# KiCad board thunderbolt-adapter.kicad_pcb (continued)
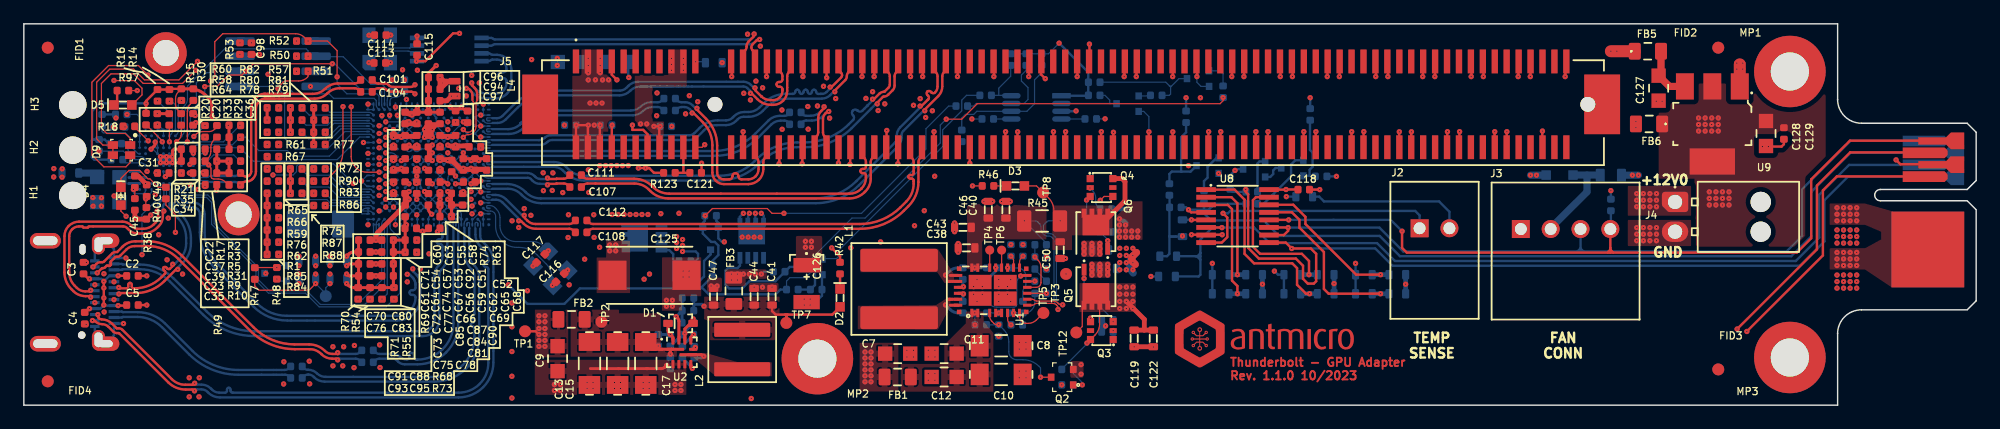
[diagram p0: board, top side]
## Routing (per net, layer and track width the routed paths; a pad name or vN(x,y) marks a point on that pad's centre or on a via; arc(x,y) is an arc through that point) (continued)
USB_T_N: length 14.3
  Top w0.2: v1(7.95,9.88) 8.02,9.81 8.64,9.81 arc(8.71,9.86) 8.75,9.95 8.75,10.11 arc(8.79,10.22) 8.9,10.26 arc(9,10.22) 9.05,10.11 9.05,9.95 arc(9.09,9.85) 9.2,9.8 9.27,9.8 arc(10.5,10.05) 11.53,10.74 11.82,11.03 arc(11.87,11.14) 11.82,11.24 11.72,11.35 arc(11.67,11.45) 11.72,11.56 arc(11.82,11.6) 11.93,11.56 12.03,11.45 arc(12.14,11.41) 12.25,11.45 12.43,11.63 arc(12.46,11.69) 12.48,11.75 v1(12.48,11.82)
  Bottom w0.1: 12.2,16.91 12.2,16.96 arc(12.2,16.96) 12.21,16.97 12.22,16.98 arc(12.23,17) 12.24,17.02 12.24,18.05 arc(12.23,18.07) 12.22,18.08 U3.L6
  Bottom w0.2: v1(7.95,9.88) 7.92,9.85 J9.A7 ; v1(12.48,11.82) 12.55,11.82 arc(12.61,11.84) 12.67,11.87 13.07,12.28 arc(13.46,12.86) 13.6,13.56 13.6,14.03 arc(13.42,14.94) 12.9,15.72 12.43,16.19 arc(12.26,16.44) 12.2,16.74 12.2,16.91
USB_T_P: length 14.2
  Top w0.2: v1(7.96,9.33) 8.04,9.41 9.55,9.41 arc(10.74,9.7) 11.76,10.4 12.71,11.35 arc(12.76,11.39) 12.83,11.4 v1(12.9,11.4)
  Bottom w0.1: 12.45,18.25 12.45,17.04 arc(12.46,17) 12.47,16.97 12.55,16.9 ; 12.45,18.25 12.45,18.36 arc(12.45,18.36) 12.44,18.36 arc(12.44,18.37) 12.43,18.37 U3.K6
  Bottom w0.2: v1(12.9,11.4) 12.9,11.47 arc(12.91,11.54) 12.95,11.59 13.36,12 arc(13.83,12.71) 14,13.55 14,14.02 arc(13.79,15.09) 13.18,16 12.62,16.56 arc(12.61,16.59) 12.6,16.61 12.6,16.78 arc(12.59,16.84) 12.55,16.9 12.55,16.9 ; v1(7.96,9.33) 7.94,9.35 J9.A6
Net-(C10-Pad2): length 1.5
  Top w0.1: U1.2 79.44,7.74 arc(79.45,7.74) 79.45,7.74 v1(79.69,7.74) 79.93,7.74 arc(79.93,7.74) 79.94,7.74 U1.3
  Bottom w0.1: v1(79.69,7.74) 79.7,7.74 arc(79.7,7.73) 79.71,7.72 v1(79.71,6.74)
Net-(C13-Pad2): length 3.9
  Top w0.25: C17.2 52.73,4.69 53.49,4.69 ; 53.49,4.69 54.42,4.69 ; 53.49,4.69 53.3,4.69 arc(53.21,4.73) 53.17,4.82 53.17,4.96 arc(53.17,4.96) 53.17,4.96 v1(53.16,4.96) ; v1(54.17,4.29) 54.17,4.6 arc(54.17,4.61) 54.17,4.61 arc(54.17,4.61) 54.17,4.62 54.21,4.65 arc(54.25,4.68) 54.3,4.69
  Bottom w0.25: v1(54.17,4.29) C24.2
Net-(C18-Pad2): length 1.5
  Top w0.1: U1.6 81.44,7.74 arc(81.45,7.74) 81.45,7.74 v1(81.71,7.74) 81.93,7.74 arc(81.93,7.74) 81.94,7.74 U1.7
  Bottom w0.1: R22.2 81.71,7.74 arc(81.71,7.74) 81.71,7.74 v1(81.71,7.74)
Net-(C19-Pad2): length 1.1
  Top w0.1: 83.44,11.54 83.44,12.01 arc(83.48,12.2) 83.59,12.36 v1(83.73,12.5)
Net-(C26-Pad1): length 1.1
  Top w0.25: U1.30 78.66,9.39 arc(78.69,9.38) 78.72,9.36 v1(78.74,9.34)
  Bottom w0.25: C26.1 78.69,9.25 arc(78.7,9.28) 78.72,9.31 v1(78.74,9.34)
Net-(C26-Pad2): length 3.1
  Top w0.25: 77.49,8.89 U1.31 ; U1.32 77.64,8.39
  Bottom w0.25: C26.2 78.3,7.74 arc(77.94,7.82) 77.63,8.02 v1(77.24,8.41)
Net-(C27-Pad1): length 0.2
  Top w0.25: U2.7 56.1,4.69 arc(56.11,4.69) 56.12,4.69 v1(56.27,4.85)
Net-(C27-Pad2): length 2.2
  Top w0.25: v1(56.98,4.1) 56.91,4.17 arc(56.84,4.22) 56.75,4.24 U2.6
  Bottom w0.25: v1(56.98,4.1) 56.91,4.03 arc(56.84,3.98) 56.75,3.96 C27.2
Net-(C28-Pad1): length 1.1
  Top w0.25: U1.29 78.66,9.89 arc(78.69,9.89) 78.72,9.91 v1(78.74,9.94)
  Bottom w0.25: v1(78.74,9.94) 78.72,9.96 arc(78.7,9.99) 78.69,10.02 C28.1
Net-(C28-Pad2): length 3.2
  Top w0.25: U1.28 77.44,10.39 ; U1.27 77.63,10.89
  Bottom w0.25: v1(77.24,10.91) 77.55,11.22 arc(77.88,11.44) 78.27,11.52 C28.2
Net-(C29-Pad1): length 1.6
  Bottom w0.1: 81.58,11.52 81.47,11.52 arc(81.46,11.52) 81.45,11.53 v1(81.44,11.54)
  Bottom w0.25: R26.1 80.72,10.55 arc(80.74,10.56) 80.76,10.57 81.62,11.43 arc(81.63,11.49) 81.58,11.52
Net-(C30-Pad1): length 1.4
  Bottom w0.1: R25.2 84.75,11.36 arc(84.73,11.38) 84.73,11.4 C30.1
Net-(C31-Pad2): length 0.9
  Top w0.1: C31.2 12.16,19.48 arc(12.16,19.48) 12.16,19.48 v1(11.86,19.18)
  Bottom w0.1: v1(11.86,19.18) 11.78,19.26 arc(11.72,19.35) 11.7,19.45 U3.H7
Net-(C32-Pad2): length 5.4
  Top w0.25: 79.94,11.54 79.72,11.54 arc(79.71,11.54) 79.7,11.53 v1(79.69,11.52) 79.68,11.53 arc(79.67,11.54) 79.66,11.54 79.44,11.54
  Bottom w0.1: TP10.2 84.94,15.4 arc(84.88,15.44) 84.8,15.45 R45.1 85.7,13.59 R43.2
  Bottom w0.25: R26.2 80.7,11.52 v1(79.69,11.52)
  vias: v1(83.85,15.47)
Net-(C33-Pad1): length 5.6
  Top w0.25: U2.10 54.9,7.04 arc(54.87,7.19) 54.78,7.32 v1(54.66,7.43)
  Bottom w0.25: R36.1 55.17,7.93 54.68,7.44 arc(54.67,7.43) 54.67,7.43 v1(54.66,7.43) 55.16,6.94 ; C33.1 55.17,7.92 arc(55.16,7.92) 55.16,7.91 55.16,6.93
Net-(C33-Pad2): length 10.2
  Top w0.2: C41.2 62.7,7.9 63,7.6 63.8,7.6 ; 63.9,7.5 63.8,7.6 ; 63.9,7.5 TP7.1 63.9,7.6 ; 63.9,7.5 64,7.6 ; 63.8,7.6 63.9,7.6 ; 63.9,7.6 64,7.6 ; 64,7.6 67.75,7.6 D2.1
  Bottom w0.25: 56.14,8.46 56.14,8.93 56.14,9 R36.2 ; 56.14,8.46 C33.2 ; 56.14,8.46 56.84,8.46 v1(57,8.3)
Net-(C34-Pad1): length 0.7
  Top w0.1: v1(13.87,19.48) 14.23,19.48
  Bottom w0.1: v1(13.87,19.48) 13.93,19.54 arc(14,19.58) 14.07,19.6 U3.H2
Net-(C35-Pad1): length 0.6
  Bottom w0.1: v1(15.18,18.35) 15.01,18.52 arc(14.92,18.58) 14.81,18.6 U3.K1
Net-(C36-Pad1): length 0.7
  Bottom w0.1: U3.A2 14.2,23.35 arc(14.23,23.49) 14.3,23.61 v1(14.41,23.71)
Net-(C37-Pad1): length 0.8
  Top w0.1: v1(15.2,21.16) 15.2,21.16 arc(15.2,21.16) 15.2,21.17 C37.1
  Bottom w0.1: U3.E1 15.1,21.1 arc(15.14,21.11) 15.17,21.13 v1(15.2,21.16)
Net-(C51-Pad2): length 5
  Top w0.25: 36.83,21.83 37.06,21.83 arc(37.16,21.81) 37.24,21.75 arc(37.25,21.7) 37.21,21.68 36.19,21.68 arc(36.19,21.67) 36.18,21.67 arc(36.18,21.67) 36.17,21.67 35.8,21.67 arc(35.69,21.69) 35.61,21.75 v1(35.53,21.83) v1(36.18,21.83) 36.83,21.83
  Bottom w0.1: v1(36.18,21.83) U4.R16 v1(35.53,21.83) U4.R15
Net-(C53-Pad2): length 20.9
  Top w0.25: 33.79,23.5 33.64,23.35 arc(33.59,23.29) 33.58,23.21 v1(33.58,23.13) ; 33.79,23.5 arc(33.91,23.59) 34.06,23.62 ; 33.79,23.5 arc(33.86,23.52) 33.9,23.46 ; 34.39,23.42 33.88,23.42 v1(33.58,23.13) ; 34.39,23.42 arc(34.52,23.45) 34.62,23.52 34.43,23.33 ; 34.39,23.42 arc(34.44,23.39) 34.43,23.33 ; v1(33.58,23.13) v1(33.58,22.48) v1(34.23,23.13) ; v1(33.58,23.13) 33.65,23.13 arc(33.73,23.14) 33.79,23.18 33.82,23.21 ; v1(33.58,23.13) 33.58,23.04 arc(33.59,22.97) 33.64,22.9 33.74,22.8 arc(33.84,22.78) 33.9,22.86 33.9,23.18 ; v1(33.58,23.13) v1(34.23,22.48) v1(34.23,23.13) ; v1(34.23,23.13) 34.15,23.13 arc(34.08,23.14) 34.02,23.18 33.99,23.21 ; v1(34.23,23.13) 34.43,23.33 ; v1(34.23,23.13) 34.23,23.21 arc(34.21,23.29) 34.17,23.35 34.02,23.5 ; 34.02,23.5 arc(34,23.58) 34.06,23.62 ; 34.02,23.5 arc(33.94,23.52) 33.9,23.46 ; 34.06,23.62 34.8,23.62 arc(34.72,23.6) 34.66,23.56 ; C67.2 33.82,19.72 arc(33.74,19.73) 33.68,19.78 v1(33.58,19.88) ; 33.99,23.21 arc(33.92,23.31) 33.9,23.42 ; 33.99,23.21 arc(33.93,23.22) 33.9,23.18 ; 33.9,23.18 arc(33.87,23.22) 33.82,23.21 ; 33.82,23.21 arc(33.88,23.31) 33.9,23.42 ; 33.9,23.46 33.9,23.42 ; v1(30.98,19.88) v1(31.63,19.88) 31.71,19.88 arc(31.79,19.86) 31.85,19.82 31.87,19.8 arc(31.88,19.75) 31.84,19.72 31.06,19.72 arc(31,19.74) 30.98,19.8 v1(30.98,19.88)
  Bottom w0.1: 33.25,19.55 v1(33.58,19.88) 33.9,19.55 ; v1(31.63,19.88) 31.3,19.55 v1(30.98,19.88) U4.M6 v1(31.63,19.88) ; v1(31.63,19.88) 31.95,19.55 ; v1(31.63,19.88) U4.M8 ; U4.V12 v1(33.58,23.13) U4.V11 v1(33.58,22.48) ; U4.V12 v1(34.23,22.48) ; U4.V12 v1(34.23,23.13) U4.V13 v1(34.23,22.48) ; U4.V12 v1(33.58,22.48) ; v1(33.58,22.48) U4.T11 ; v1(33.58,22.48) U4.T12 v1(34.23,22.48)
Net-(C54-Pad2): length 6.6
  Top w0.25: v1(32.93,23.78) C63.2 ; C57.2 C54.2
  Top w0.4: v1(32.28,23.78) 32.11,23.78 C60.2 C63.2
  Bottom w0.1: U4.R9 v1(32.28,21.83) U4.R8 32.11,21.34 arc(32.28,21.27) 32.44,21.34 U4.R9 ; U4.R9 32.76,21.34 arc(32.93,21.27) 33.09,21.34 U4.R11 ; U4.R9 v1(32.93,21.83) U4.R11 ; U4.R11 U4.R12
Net-(C56-Pad2): length 19.4
  Top w0.25: 36.95,19.72 C65.2 38.66,19.72 ; 36.95,19.72 38.66,19.72 ; 36.95,19.72 36.7,19.72 ; 36.95,19.72 arc(36.84,19.74) 36.74,19.81 ; 35.88,20.56 35.92,20.56 arc(35.98,20.55) 36.03,20.51 36.74,19.81 ; 35.88,20.56 arc(35.85,20.56) 35.83,20.58 ; 35.88,20.56 arc(35.85,20.56) 35.83,20.54 ; 38.66,19.72 arc(38.71,19.75) 38.7,19.8 ; 38.66,19.72 arc(38.71,19.75) 38.7,19.8 ; 36.7,19.72 arc(36.75,19.75) 36.74,19.81 ; 36.7,19.72 arc(36.58,19.74) 36.48,19.81 35.76,20.53 v1(35.53,20.53) v1(34.88,20.53) 35.79,20.53 arc(35.82,20.53) 35.83,20.54 ; 35.83,20.58 35.79,20.62 arc(35.72,20.67) 35.64,20.69 C56.2 ; 35.83,20.58 arc(35.84,20.56) 35.83,20.54 ; v1(36.83,19.88) v1(37.48,19.88) 38.51,19.88 arc(38.61,19.86) 38.7,19.8
  Bottom w0.1: 36.83,20.53 U4.N18 U4.M16 ; U4.M18 36.18,20.53 ; U4.M18 v1(36.83,19.88) ; U4.M18 36.18,19.88 ; U4.M18 U4.N19 ; U4.M16 36.5,19.55 v1(36.83,19.88) ; U4.M16 v1(35.53,20.53) U4.M15 v1(34.88,20.53) U4.M13 ; v1(36.83,19.88) 37.15,19.55 v1(37.48,19.88)
Net-(C66-Pad2): length 1.8
  Top w0.25: C66.2 35.27,18.73 arc(35.37,18.71) 35.45,18.65 v1(35.53,18.57)
  Bottom w0.1: v1(35.53,18.57) 35.53,19.01 arc(35.57,19.21) 35.69,19.39 35.85,19.55
Net-(C69-Pad2): length 1.2
  Top w0.25: v1(36.18,18.58) 36.59,18.58 arc(36.68,18.6) 36.77,18.65 C69.2
  Bottom w0.1: v1(36.18,18.58) U4.J16
Net-(C71-Pad2): length 0.5
  Bottom w0.1: v1(30.98,21.83) U4.R6
Net-(C75-Pad2): length 3.8
  Top w0.25: v1(36.83,17.93) 36.8,17.9 arc(36.78,17.87) 36.78,17.84 C90.2 ; C85.2 33.82,17.76 arc(33.75,17.77) 33.69,17.82 v1(33.58,17.93) ; C75.2 33.06,14.69 arc(33.16,14.62) 33.27,14.6 v1(33.4,14.6) 33.53,14.6 arc(33.65,14.63) 33.76,14.69 C78.2
  Bottom w0.1: U4.J11 33.25,18.25 v1(33.58,17.93) ; U4.F18 v1(36.83,17.93) 36.5,18.25
Net-(C92-Pad2): length 9.5
  Top w0.4: 35.95,27.19 35.41,27.19 arc(35.2,27.23) 35.03,27.34 v1(34.88,27.5) C94.2 35.35,26.99 arc(35.56,27.14) 35.82,27.19
  In3.Cu w0.4: v1(34.88,21.83) 34.88,27.49 arc(34.88,27.49) v1(34.88,27.5)
  Bottom w0.1: v1(34.88,21.83) U4.R13
Net-(C113-Pad2): length 4.9
  Top w0.1: C113.2 28.99,28.72 arc(28.95,28.72) v1(28.92,28.74)
  Bottom w0.1: v1(28.92,28.74) 28.92,28.8 arc(28.93,28.84) 28.96,28.88 29.36,29.28 arc(29.84,29.6) 30.41,29.72 32.21,29.72 arc(32.34,29.69) 32.45,29.62 arc(32.56,29.54) 32.69,29.52 U6.2
Net-(C114-Pad2): length 4.6
  Top w0.1: C114.2 30.74,31.05 arc(30.74,31.05) v1(30.74,31.05)
  Bottom w0.1: Y1.3 30.72,30.99 arc(30.71,30.95) 30.69,30.91 30.14,30.36 arc(30.09,30.29) 30.07,30.2 30.07,30.2 arc(30.09,30.11) 30.14,30.04 arc(30.21,29.99) 30.29,29.97 32.35,29.97 arc(32.35,29.97) 32.35,29.97 arc(32.35,29.97) 32.35,29.97 32.45,30.07 arc(32.56,30.14) 32.68,30.17 U6.3
Net-(C116-Pad1): length 10.3
  Top w0.1: C116.1 44.59,10.35 v1(44.3,10.06)
  Bottom w0.1: U4.D22 38.62,16.41 arc(38.74,16.32) 38.89,16.29 39.11,16.29 arc(39.27,16.26) 39.41,16.17 arc(39.5,16.03) 39.53,15.86 39.53,15.03 arc(39.67,14.35) 40.06,13.77 arc(40.64,13.38) 41.32,13.24 41.48,13.24 arc(42.31,13.08) 43.02,12.6 43.79,11.83 arc(44.13,11.33) 44.24,10.75 44.24,10.16 arc(44.25,10.12) 44.27,10.09 v1(44.3,10.06)
Net-(C117-Pad1): length 8.2
  Top w0.1: C117.1 43.65,12.66 v1(43.95,12.96)
  Bottom w0.1: v1(43.95,12.96) 43.56,13.34 arc(43.13,13.63) 42.62,13.73 41.23,13.73 arc(40.72,13.83) 40.29,14.12 arc(40,14.55) 39.9,15.06 39.9,15.73 arc(39.82,16.12) 39.6,16.45 39.47,16.59 arc(39.28,16.71) 39.07,16.75 38.88,16.75 arc(38.84,16.74) 38.81,16.72 arc(38.78,16.69) 38.78,16.65 38.78,16.62 arc(38.78,16.58) 38.81,16.55 arc(38.84,16.53) 38.88,16.52 U4.D23
Net-(C127-Pad2): length 4.7
  Top w0.6: FB5.2 137.2,27.85 C127.2 137.9,26.75 U9.3
Net-(C128-Pad2):
  vias: v1(140.35,24.1) v1(140.35,23.55) v1(140.35,23) v1(140.9,24.1) v1(140.9,23.55) v1(140.9,23) v1(141.25,17.9) v1(141.25,17.35) v1(141.25,16.8) v1(141.45,24.1) v1(141.45,23.55) v1(141.45,23) v1(141.8,17.9) v1(141.8,17.35) v1(141.8,16.8) v1(142,24.1) v1(142,23.55) v1(142,23) v1(142.35,17.9) v1(142.35,17.35) v1(142.35,16.8) v1(142.9,17.9) v1(142.9,17.35) v1(142.9,16.8)
Net-(C130-Pad2): length 2
  Bottom w0.1: C130.2 88.92,24.02 U10.4
Net-(D1-PadK): length 2.6
  Top w0.25: U2.11 54.4,5.58 arc(54.37,5.7) 54.3,5.81 v1(54.17,5.93) 54.08,6.03 arc(54.01,6.14) 53.98,6.26 D1.K
  Bottom w0.25: v1(54.17,5.93) R6.1
Net-(D2-Pad2): length 1.3
  Top w0.2: D2.2 R42.2
Net-(D3-Pad2): length 1.1
  Top w0.1: D3.2 81.28,18.4
Net-(D4-Pad2): length 5.2
  Top w0.1: 8.14,18.5 8.14,19.04 8.8,19.7 9.7,19.7 10.41,18.99 10.56,18.99 11.27,18.28 R49.2
Net-(D5-Pad2): length 1.3
  Top w0.2: R97.2 7.81,25.45 D5.2
Net-(D7-PadK): length 8.1
  Bottom w0.6: FB4.1 132.1,19.31 D7.K ; J3.2 127.96,14.86 131,17.9 131,19.3
Net-(D9-Pad1): length 104.5
  Top w0.1: D9.1 8.91,22.39 8.5,22.8 6.95,22.8 6.5,23.25 6.5,27 7.3,27.8 9.2,27.8 10,27 13.3,27 v1(14.4,28.1)
  In2.Cu w0.1: v1(97.4,25.8) 97.4,28.1 97.1,28.4 59.9,28.4 58.3,30 28.4,30 26.5,28.1 25.7,28.1 25.2,28.6 14.9,28.6 v1(14.4,28.1)
  Bottom w0.2: R127.2 v1(97.4,25.8)
Net-(D9-Pad2): length 119.9
  Top w0.1: D9.2 8.91,20.36 8.55,20 6.7,20 5.7,21 5.7,27.1 7.1,28.5 9.6,28.5 v1(10.4,27.7)
  In2.Cu w0.1: v1(107.8,25.8) 107.8,28.2 107,29 60.9,29 59.3,30.6 26.4,30.6 25.8,30 14.8,30 14,29.2 14,28.3 13,27.3 10.8,27.3 v1(10.4,27.7)
  Bottom w0.2: R128.2 v1(107.8,25.8)
Net-(L3-Pad1): length 2.6
  Bottom w0.1: U4.C2 29.19,16.18 arc(29.06,16.26) 28.91,16.29 28.44,16.29 arc(28.41,16.3) 28.38,16.32 arc(28.37,16.35) 28.38,16.37 28.44,16.43 arc(28.53,16.5) 28.65,16.52 U4.D1 U4.C1 28.33,16.06 arc(28.33,16.06) 28.33,16.06 28.33,16.06
Net-(Q1-Pad1): length 2.8
  Top w0.1: R47.2 19.36,11.55 v1(21.2,11.55)
  Bottom w0.1: 22.12,11.72 21.48,11.72 arc(21.37,11.69) 21.28,11.63 v1(21.2,11.55)
Net-(Q1-Pad3): length 12.1
  Top w0.1: R49.1 11.9,16.8 12.7,16 v1(12.7,14.5)
  In2.Cu w0.1: v1(12.7,14.5) 14.65,12.55 17.6,12.55 19.1,11.05 20.16,11.05 Q1.3
  vias: v1(20.28,11.06)
Net-(Q2-Pad1): length 3.1
  Top w0.1: v1(88.7,1.7) 87.95,1.7 87.95,1.7 arc(87.95,1.7) 87.94,1.7 Q2.1
  Bottom w0.1: R92.2 88.7,1.7 v1(88.7,1.7) 88.7,1.9 87.95,2.65 R91.2
Net-(Q3-Pad2): length 0.1
  Bottom w0.1: R93.2 91.29,6.25 arc(91.29,6.26) v1(91.29,6.26)
Net-(Q3-Pad3): length 5.2
  Top w0.1: v1(88.85,10.63) 88.85,11.37
  Bottom w0.1: R95.2 89.22,9.24 arc(88.95,9.64) 88.85,10.12 v1(88.85,10.63)
  vias: v1(91.29,7.01)
Net-(Q3-Pad4): length 5.7
  Top w0.1: Q3.4 89.39,7.29 arc(89.39,7.29) 89.39,7.3
  In3.Cu w0.1: v1(89.51,11.37) 88.97,11.37 88.2,10.6 88.2,8.48 v1(89.38,7.3)
  vias: v1(89.51,11.82) v1(89.51,10.92) v1(90.17,11.82) v1(90.17,11.37) v1(90.17,10.92) v1(90.83,11.82) v1(90.83,11.37) v1(90.83,10.92)
Net-(Q4-Pad2): length 2.1
  Top w0.1: Q4.2 89.36,18.25 arc(89.36,18.25) 89.36,18.24 v1(89.34,18.22)
  Bottom w0.1: R94.2 90,16.65 arc(89.87,16.85) 89.82,17.09 89.82,17.4 arc(89.76,17.72) 89.58,17.98 v1(89.34,18.22)
Net-(Q4-Pad3): length 5.3
  Top w0.1: v1(89.06,17.21) 89.36,17.51 Q4.3 ; 90.83,13.8 90.83,13.13
  Bottom w0.1: v1(89.06,17.21) 89.06,16.01 arc(89.17,15.45) 89.49,14.97 89.83,14.64 arc(89.93,14.57) 90.05,14.54 arc(90.18,14.52) 90.28,14.45 90.8,13.93 arc(90.82,13.89) 90.83,13.85 90.83,13.8
  vias: v1(90.83,13.8)
Net-(Q4-Pad4): length 4.8
  Top w0.1: v1(90.21,17.19) 90.53,17.52 Q4.4
  In3.Cu w0.1: v1(90.17,13.58) 90.19,13.6 arc(90.21,13.62) 90.21,13.64 v1(90.21,17.19)
  vias: v1(88.85,13.58) v1(88.85,13.13) v1(88.85,12.68) v1(89.51,13.58) v1(89.51,13.13) v1(89.51,12.68) v1(90.17,13.13) v1(90.17,12.68)
Net-(Q7-Pad3): length 10.4
  Bottom w0.2: Q9.4 60.01,11.71 59.8,11.5 59,11.5 58.8,11.3 58.8,10.1 59.1,9.8 60.2,9.8 60.8,10.4 62.99,10.4 64.19,11.6 Q7.3
Net-(Q10-Pad4): length 9.2
  Bottom w0.2: 54.41,12.1 54.41,10.49 54.7,10.2 56.4,10.2 57,10.8 57,12.1 57.55,12.65 Q8.3 ; 54.41,12.1 54.41,12.69 54.09,13.01 Q10.4 ; 54.41,12.1 54.42,12.1 R122.1
Net-(Q11-Pad1): length 3.4
  Bottom w0.2: 100.13,20.75 99.95,20.75 99.2,20 99.2,19.1 98.9,18.8 R117.2
Net-(Q11-Pad3): length 7.7
  Bottom w0.2: R127.1 97.4,22.9 96.99,22.48 96.99,19.6 ; 96.99,19.6 97.78,19.6 98.28,20.1 ; 96.99,19.6 96.2,19.6 96,19.4 R126.1
Net-(Q12-Pad1): length 3.1
  Bottom w0.2: 103.38,17.9 103.38,20.28 103.55,20.45 Q12.1
Net-(Q12-Pad2): length 1.8
  Bottom w0.2: Q12.2 104.45,19.15 104.7,19.4 104.7,19.7 104.9,19.9 Q13.3
Net-(Q13-Pad1): length 5.9
  Bottom w0.2: Q13.1 106.55,20.55 106.2,20.2 106.2,19.2 103.9,16.9 103.38,16.9
Net-(Q13-Pad2): length 5.9
  Bottom w0.2: 107.75,19.25 108.18,19.25 R133.2 ; 107.75,19.25 107.75,19.75 108,20 108,21.2 107.78,21.42 107.78,23.9 ; 107.75,19.25 Q13.2
Net-(Q14-Pad1): length 2.3
  Bottom w0.1: Q14.1 100.25,28.05 100.5,27.8 R134.2
Net-(Q14-Pad3): length 9.3
  Bottom w0.1: R135.1 95.7,27.1 96,26.8 ; 96.1,26.7 96.18,26.78 ; 96.1,26.7 96.1,26.1 96,26 95.38,26 ; 96.1,26.7 96,26.8 ; 96.18,26.78 96.03,26.78 96,26.8 ; 96.18,26.78 96.8,27.4 Q14.3
Net-(Q15-Pad1): length 1
  Bottom w0.1: R136.2 94.37,25.95 Q15.1
Net-(Q15-Pad3): length 5.9
  Bottom w0.1: 91,25.32 91,25.6 90.6,26 R137.1 ; Q15.3 91.56,25.32 U10.2
Net-(R12-Pad2): length 1.6
  Top w0.1: U1.13 85.68,9.39 arc(85.69,9.39) 85.69,9.38 v1(85.7,9.38)
Net-(R13-Pad2): length 1.1
  Top w0.1: v1(82.73,6.74) 82.58,6.88 arc(82.48,7.04) 82.44,7.22 U1.8
Net-(R14-Pad2): length 2.7
  Bottom w0.1: v1(12.2,25.5) 12.4,25.5 12.7,25.2 U3.A5
Net-(R15-Pad2): length 3.1
  Bottom w0.1: v1(13.2,25.58) 13.07,25.44 arc(12.97,25.3) 12.93,25.12 12.93,23 arc(12.9,22.85) 12.82,22.72 U3.B5
Net-(R16-Pad2): length 3.6
  Bottom w0.1: U3.B6 12.32,22.72 arc(12.42,22.86) 12.45,23.03 12.45,24.3 v1(11.2,25.55)
Net-(R17-Pad2): length 2.3
  Top w0.1: R17.2 16.18,23.41 arc(16.17,23.35) 16.14,23.31 15.98,23.16 arc(15.77,23.01) 15.51,22.96 14.95,22.96 arc(14.68,22.91) 14.45,22.75 v1(14.25,22.55)
Net-(R18-Pad2): length 2
  Top w0.1: v1(10.42,22.18) 9.28,23.31 R18.2 9.3,23.39 9.3,23.31
  Bottom w0.2: U3.C10 10.28,22.18 v1(10.42,22.18)
Net-(R19-Pad2): length 2.1
  Bottom w0.1: R19.2 8.55,20.33 9.8,20.33 arc(9.95,20.3) 10.08,20.22 U3.G10
Net-(R20-Pad2): length 2.5
  Top w0.1: v1(11.6,22.1) 11.6,22.14 arc(11.6,22.16) 11.59,22.19 10.26,23.52 R20.2
  Bottom w0.1: v1(11.6,22.1) 11.65,22.05 arc(11.69,21.99) 11.7,21.93 U3.D7
Net-(R21-Pad2): length 1.4
  Top w0.1: R21.2 14.18,21.46 arc(14.2,21.44) 14.2,21.42 v1(14.2,21.14)
  Bottom w0.1: U3.F2 v1(14.2,21.14) U3.E2 U3.F2
Net-(R24-Pad2): length 4.1
  Bottom w0.1: R27.1 83.72,9.54 arc(83.75,9.7) 83.85,9.84 arc(83.94,9.98) 83.97,10.14 83.97,10.82 arc(83.92,11.09) 83.77,11.31 arc(83.54,11.46) 83.28,11.51 R24.2 82.48,11.51 arc(82.47,11.52) 82.45,11.53 v1(82.44,11.54)
Net-(R25-Pad1): length 0.6
  Top w0.1: v1(84.73,10.41) 84.72,10.4 arc(84.71,10.39) 84.69,10.39 U1.15
Net-(R28-Pad1): length 1
  Top w0.1: 82.94,11.54 82.94,12.13 arc(82.91,12.27) 82.83,12.39 v1(82.72,12.5)
Net-(R29-Pad1): length 2.1
  Top w0.1: v1(12.8,22.1) 13,22.3 arc(13.15,22.52) 13.2,22.78 13.2,23.58
  Bottom w0.1: v1(12.8,22.1) 12.75,22.05 arc(12.71,21.99) 12.7,21.93 U3.D5
Net-(R30-Pad1): length 4.8
  Top w0.1: v1(13.7,22.1) 13.7,24.66 arc(13.76,24.99) 13.95,25.27 14.2,25.52
  Bottom w0.1: U3.E4 13.2,21.35 arc(13.25,21.58) 13.38,21.78 v1(13.7,22.1)
Net-(R31-Pad1): length 3.8
  Bottom w0.1: U3.F1 15.5,20.6 15.9,21 17.58,21 v1(18.1,20.48)
Net-(R32-Pad1): length 4.8
  Bottom w0.1: R32.1 6.55,22.96 6.66,22.85 8.5,22.85 8.9,22.45 8.9,21.78 9.55,21.12 arc(9.59,21.11) 9.64,21.1 U3.E11
Net-(R33-Pad1): length 2
  Top w0.1: v1(12.2,22.1) 12.2,23.58
  Bottom w0.1: v1(12.2,22.1) U3.D6
Net-(R34-Pad1): length 2.8
  Bottom w0.1: U3.F10 10.07,20.73 arc(9.92,20.83) 9.75,20.86 9.54,20.86 arc(9.21,20.93) 8.94,21.11 8.9,21.15 arc(8.74,21.38) 8.69,21.66 arc(8.68,21.77) 8.65,21.89 8.59,21.95 R34.1
Net-(R35-Pad1): length 0.8
  Top w0.1: v1(13.91,20.21) 13.94,20.21 arc(13.96,20.22) 13.98,20.23 14.23,20.48
  Bottom w0.1: U3.G2 14.1,20.1 arc(14.03,20.11) 13.96,20.16 v1(13.91,20.21)
Net-(R43-Pad1): length 4.7
  Top w0.1: U1.14 84.83,9.89 arc(84.99,9.92) 85.12,10.01 arc(85.21,10.14) 85.24,10.3 85.24,11.56 arc(85.17,11.89) 84.98,12.18 v1(84.73,12.44)
  Bottom w0.1: v1(84.73,12.44) R43.1
Net-(R56-Pad2): length 1.8
  Bottom w0.1: R56.2 31.59,26.02 arc(31.38,25.88) 31.13,25.83 30.99,25.83 arc(30.87,25.81) 30.77,25.74 arc(30.71,25.64) 30.68,25.52 U4.AC5
Net-(R57-Pad2): length 4.3
  Bottom w0.1: U4.AA2 29.19,24.46 arc(29.06,24.54) 28.91,24.57 25.64,24.57 v1(25.26,24.95)
Net-(R58-Pad2): length 10.2
  In2.Cu w0.1: v1(21.36,23.93) 21.78,23.5 25.6,23.5 26.2,24.1 28.9,24.1 29.6,24.8 30.2,24.8 30.65,24.35 v1(30.65,24.33)
Net-(R59-Pad2): length 11.6
  In2.Cu w0.1: v1(29.78,21.6) 29.5,21.6 28.6,22.5 28.2,22.5 27.9,22.2 27.9,21.3 26,19.4 23.2,19.4 22.8,19 22.8,18.4 22.7,18.3 21.88,18.3 v1(21.36,17.78)
Net-(R60-Pad2): length 10.8
  In2.Cu w0.1: v1(31.3,24.33) 31.27,24.33 30.9,24.7 30.7,24.7 30.3,25.1 29.3,25.1 28.6,24.4 21.91,24.4 v1(21.36,24.95)
Net-(R61-Pad2): length 12
  In2.Cu w0.1: v1(21.36,21.88) 21.83,21.4 25.5,21.4 27.7,23.6 29.3,23.6 29.6,23.9 29.9,23.9 30.02,23.78 v1(30.33,23.78)
  Bottom w0.1: U4.Y8 31.65,23.8 arc(31.62,23.78) 31.59,23.78 v1(30.33,23.78)
Net-(R62-Pad2): length 11.6
  In2.Cu w0.1: v1(21.36,15.73) 25.13,15.73 26.1,16.7 26.1,18.5 28.35,20.75 v1(29.78,20.75)
Net-(R63-Pad2): length 0.9
  Top w0.1: R63.2 37.08,23.82 36.88,23.82 arc(36.86,23.81) 36.85,23.8 v1(36.83,23.78)
  Bottom w0.1: v1(36.83,23.78) U4.Y18
Net-(R64-Pad2): length 9.6
  In2.Cu w0.1: v1(30,24.3) 29.6,24.3 29.2,23.9 27.1,23.9 25.6,22.4 21.86,22.4 v1(21.36,22.9)
Net-(R65-Pad2): length 10.1
  In2.Cu w0.1: v1(29.78,22.8) 29.58,23 27.9,23 27.2,22.3 27.2,21.8 26.2,20.8 22.8,20.8 21.83,19.83 v1(21.36,19.83)
Net-(R66-Pad2): length 10.9
  In2.Cu w0.1: v1(29.78,22.15) 29.23,22.7 27.9,22.7 27.5,22.3 27.5,21.7 26.3,20.5 23.2,20.5 22.8,20.1 22.8,19.65 22.45,19.3 22.1,19.3 21.6,18.8 v1(21.36,18.8)
Net-(R67-Pad2): length 9.7
  In2.Cu w0.1: v1(29.78,23.45) 29.63,23.3 27.8,23.3 26.9,22.4 26.9,22 26,21.1 22.6,21.1 22.35,20.85 v1(21.36,20.85)
Net-(R68-Pad2): length 7.2
  In2.Cu w0.1: v1(32.93,13.85) 33.65,13.85 33.9,14.1 33.9,15 36.4,17.5 37,17.5 37.43,17.93 v1(37.48,17.93)
  Bottom w0.1: v1(37.48,17.93) 37.15,18.25
Net-(R69-Pad1): length 0.5
  Bottom w0.1: v1(30.98,18.58) U4.J6
Net-(R69-Pad2): length 0.5
  Bottom w0.1: v1(30.98,17.93) 31.3,18.25
Net-(R70-Pad1): length 7.8
  Bottom w0.1: U4.B4 30.11,15.49 arc(30.02,15.36) 29.99,15.21 29.99,10.49 28.4,8.9 v1(28.01,8.9)
Net-(R71-Pad1): length 7
  Bottom w0.1: U4.B5 30.51,15.43 arc(30.47,15.36) 30.45,15.28 30.45,9.34 ; 30.45,9.34 v1(30.01,8.9)
Net-(R72-Pad1): length 4.8
  Bottom w0.1: v1(25.26,19.83) 25.72,19.83 27.42,18.13 27.47,18.13 ; U4.G2 29.14,18.07 arc(29.07,18.11) 28.98,18.13 27.47,18.13
Net-(R73-Pad1): length 7.5
  In2.Cu w0.1: v1(37.48,17.28) 36.58,17.28 34.2,14.9 34.2,13.8 33.23,12.83 v1(32.92,12.83)
  Bottom w0.1: v1(37.48,17.28) U4.F19
Net-(R74-Pad1): length 4.1
  In2.Cu w0.1: v1(35.53,21.18) 36.18,21.18 36.7,21.7 36.7,22 36.18,22.52 v1(36.18,23.78)
  Bottom w0.1: v1(35.53,21.18) U4.N16
Net-(R75-Pad1): length 6.4
  Bottom w0.1: v1(23.31,19.83) 23.31,19.74 23.75,19.3 25.65,19.3 27.05,17.9 U4.G1
Net-(R76-Pad1): length 12.8
  In2.Cu w0.1: v1(21.36,16.75) 21.6,17 21.66,17.05 21.8,17.14 21.95,17.21 25.51,17.21 25.81,17.51 25.81,18.65 28.7,21.54 29.26,21.54 29.62,21.18 v1(30.33,21.18)
  Bottom w0.1: v1(30.33,21.18) 30.75,21.18 arc(30.96,21.13) 31.14,21.01 U4.N6
Net-(R77-Pad1): length 4.7
  Bottom w0.1: U4.V2 29.16,23.11 arc(29.06,23.17) 28.95,23.19 26.57,23.19 ; 26.57,23.19 v1(25.26,21.88)
Net-(R78-Pad1): length 6.2
  Bottom w0.1: v1(23.31,22.9) 23.86,22.35 25.35,22.35 26.42,23.42 U4.W1
Net-(R79-Pad1): length 4.4
  Bottom w0.1: 26.15,23.65 28.95,23.65 arc(29.06,23.63) 29.16,23.57 U4.W2 ; v1(25.26,22.9) 26.01,23.65 26.15,23.65
Net-(R80-Pad1): length 5.9
  Bottom w0.1: v1(23.31,23.93) 23.31,23.84 23.65,23.5 25.45,23.5 25.83,23.88 U4.Y1
Net-(R81-Pad1): length 4.2
  Bottom w0.1: U4.Y2 29.16,24.02 arc(29.06,24.09) 28.95,24.11 25.42,24.11 ; 25.42,24.11 v1(25.26,23.95)
Net-(R82-Pad1): length 5.8
  Bottom w0.1: v1(23.31,24.95) 23.92,24.34 U4.AA1
Net-(R83-Pad1): length 4.4
  Bottom w0.1: v1(25.26,17.78) 25.82,17.21 28.61,17.21 28.61,17.21 29.07,17.21 29.13,17.15 arc(29.16,17.12) 29.19,17.1 U4.E2
Net-(R84-Pad1): length 10.4
  In2.Cu w0.1: v1(21.36,12.65) 21.75,12.65 22.3,13.2 27.5,13.2 29.78,15.48 v1(29.78,16.3)
Net-(R85-Pad1): length 10.3
  In2.Cu w0.1: v1(29.78,18.25) 25.63,14.1 21.78,14.1 v1(21.36,13.68)
Net-(R86-Pad1): length 4.1
  Bottom w0.1: v1(25.26,16.75) 25.26,16.75 28.62,16.75 28.62,16.75 29.07,16.75 29.13,16.69 arc(29.16,16.66) 29.19,16.64 U4.D2
Net-(R87-Pad1): length 6.1
  Bottom w0.1: v1(23.31,18.8) 23.81,18.3 25.55,18.3 26.41,17.44 U4.F1
Net-(R88-Pad1): length 5.9
  Bottom w0.1: U4.E1 25.67,16.98 25.4,17.25 23.7,17.25 23.31,17.64 v1(23.31,17.78)
Net-(R89-Pad1): length 1.8
  Bottom w0.1: R89.1 30.67,26.11 arc(30.51,25.87) 30.45,25.59 30.45,25.2 arc(30.48,25.04) 30.57,24.92 U4.AB5
Net-(R138-Pad2): length 1.5
  Bottom w0.1: U10.5 81.26,24.02
Net-(R139-Pad1): length 4.6
  Bottom w0.1: 81.7,26 81.7,26.6 82.7,27.6 R139.1 ; 81.7,26 82.72,26 U10.8 ; 81.7,26 R142.1
Net-(R140-Pad1): length 8.6
  Bottom w0.1: R140.1 84,28.1 83.6,27.7 83.6,27.2 84.15,26.65 84.15,25.65 83.82,25.32 U10.7 79.82,25.32 79.6,25.1 R143.1
Net-(R141-Pad1): length 11.1
  Bottom w0.1: R141.1 85.3,27.9 84.7,27.3 84.7,25.3 84.06,24.67 U10.6 79.87,24.67 79.6,24.4 78.9,24.4 78.6,24.1 R144.1
Net-(TP4-Pad1): length 1.5
  Top w0.1: TP4.1 80.94,11.54
Net-(TP5-Pad1): length 3
  Top w0.1: TP5.1 84.85,7.15 arc(84.54,6.94) 84.17,6.86 84,6.86 arc(83.78,6.9) 83.6,7.03 arc(83.48,7.21) 83.44,7.42 U1.10
Net-(TP6-Pad1): length 1.5
  Top w0.1: TP6.1 81.94,11.54

## Copper pours and planes (outline as drawn; the poured copper is in the pictures)
3V3_FAN_CTRL on In2.Cu, In3.Cu: 113,11 96.85,11.03 96.83,31.98 113.01,31.97
3V3_PCIE on Top: 66.9,11.1 64.7,11.1 64.7,14.2 66.9,14.2
3V3_PCIE on Top: 55.55,26.75 52.7,26.75 52.7,23.8 53.65,23.8 53.55,20.65 53,20.65 53,22.65 51.2,22.65 51.2,27.7 54,27.7 54,29.85 55.55,29.85
3V3_PCIE on In2.Cu, In3.Cu: 66.7,14.1 66.7,12.8 63.3,12.8 62.3,13.9 53.33,13.96 53.24,18.74 52,20 51.2,21 51.18,32.01 66.79,32
3V3_SYS on Top: 62.25,10.6 60.5,10.6 60.5,10 58.75,10 58.75,11.4 62.25,11.4
3V3_SYS on Top: 90.44,9.83 90.44,8.13 89.17,8.13 89.17,9.83
3V3_SYS on Bottom: 62.4,10.6 60.4,10.6 60.4,13 62.4,13
3V3_SYS on Bottom: 29.81,10.58 29.81,14.88 29.25,14.88 29.25,10.58
3V3_SYS on In3.Cu: 61.82,32 62.09,9.34 40.04,9.24 38.57,8.18 25.62,8.21 24.48,9.25 10.2,9.24 10.14,15.55 5.55,15.53 5.55,31.99
5V0_USB on Top: 45.41,6.06 44.02,6.06 44.02,7.56 45.41,7.56
5V0_USB on Top: 70.04,1.14 70.04,5.23 73.29,5.23 73.29,1.14
5V0_USB on Top: 45.61,4.01 42.82,4.01 42.82,8.01 45.61,8.01
5V0_USB on Bottom: 3.5,18.8 2.2,18.8 2.2,20.15 3.5,20.15
5V0_USB on In3.Cu: 10.35,9.1 77.76,9.26 77.76,0 0,0 0,31.99 10.35,31.99
12V0_DCDC on Top: 86.19,16.76 91.24,16.76 91.24,14.25 87.84,14.25 87.84,13.01 86.19,13.01
12V0_MOLEX on Top: 151.34,16.92 154.3,16.92 156.64,16.25 156.64,14.15 155.65,13.9 155.65,14.55 154.3,15.13 151.34,15.13
12V0_MOLEX on Top: 151.34,13.17 154.3,13.17 156.64,14.45 156.61,9.84 154.3,11.38 151.34,11.38
12V0_MOLEX on Top: 93.19,10.24 93.19,7.82 88.46,7.82 88.46,10.24
12V0_MOLEX on Top, Bottom: 134.42,15.55 139.72,15.55 139.72,13.35 134.42,13.35
12V0_MOLEX on In2.Cu, In3.Cu: 153.96,32.1 154,0.01 91.4,0.02 91.36,31.93
12V0_PCIE on Top: 50.8,9.4 48,9.4 48,12.4 48.8,12.4 48.8,13.8 50.8,13.8
12V0_PCIE on Top: 48.55,27.75 49.3,27.75 49.3,22.95 48.55,22.95 48.55,20.65 45.96,20.65 45.96,29.85 48.55,29.85
12V0_PCIE on Top: 91.99,13.66 93.19,13.66 93.74,13.11 93.74,10.45 91.6,10.45 91.6,13.43
12V0_PCIE on Bottom: 52.53,12.42 48.63,12.43 48.63,16.23 52.5,16.23 52.5,14.99
12V0_PCIE on In2.Cu, In3.Cu: 52.89,18.6 52.9,12.7 48.7,12.7 48.7,17 47.9,20 47.9,21 45.95,21 45.95,32 50.85,32.01 50.94,20.86
12V0_SYS on Bottom: 55.7,15.4 55.7,12.65 52.95,12.65 52.95,15.4
12V0_SYS on Bottom: 91.3,13.43 91.53,13.66 93.19,13.66 93.74,13.11 93.74,10.45 91.27,10.45 91.27,12.62 90.6,12.62 90.6,13.43
12V0_SYS on In2.Cu, In3.Cu: 96.57,32.05 96.71,10.92 91.36,10.9 91.36,13.4 93.5,13.4 93.9,13.7 93.9,14.8 79.01,14.83 77.83,13.17 77.75,9.45 62.17,9.46 62.19,11.49 56.7,11.5 55.4,12.4 53.31,12.4 53.29,14.7 56.5,14.7 57.7,13.5 62.2,13.5 63.1,12.5 66.9,12.5 66.86,31.94
GND on Top: 63.25,9.5 60.75,9.5 60.75,10.25 63.25,10.25
GND on Top: 42.82,3.81 55.52,3.81 55.52,0.86 42.82,0.86
GND on Top: 58.5,9.5 57.25,9.5 57.25,10.7 58.5,10.7
GND on Top: 53.47,12.4 56.76,12.4 56.76,9.14 55.15,9.14 55.15,7.92 53.47,7.92
GND on Top: 88.8,2.3 87.7,2.3 87.7,3.7 88.8,3.7
GND on Top, Bottom: 134.42,18.4 139.72,18.4 139.72,15.9 134.42,15.9
GND on Top, Bottom: 93.75,17.11 93.75,13.88 93.65,13.88 93.31,13.87 91.59,13.87 91.59,17.11
GND on Bottom: 151.34,11.27 154.3,11.27 156.6,12.65 156.6,9.9 154.3,9.48 151.34,9.48
GND on Bottom: 151.39,15.07 154.35,15.07 156.56,16.28 156.61,12.46 155.65,11.87 155.65,12.92 154.35,13.28 151.39,13.28
GND on In1.Cu, In4.Cu: 164.01,0.01 164.01,31.99 0.01,32.02 0.01,0.01
GND on In2.Cu: 47.6,17.57 44.12,17.57 44.12,20.04 47.6,20.04
GND on In2.Cu: 48.03,13.8 45.35,13.8 45.35,16.27 48.03,16.27
GND on In3.Cu: 24.2,1.52 21.52,1.52 21.52,3.99 24.2,3.99
GND on In3.Cu: 65.98,22.89 63.3,22.89 63.3,25.36 65.98,25.36
GND on In3.Cu: 38.54,13.4 35.39,9.86 31.64,9.88 31.65,11.93 34.92,11.94 34.97,16.12 36.25,18.16 38.56,18.17
GND on In3.Cu: 30.1,2.89 27.42,2.89 27.42,5.36 30.1,5.36
GND on In3.Cu: 56.04,25.47 55.67,25.47 55.67,24.02 52.78,24.02 52.78,26.5 56.04,26.5
VBUS on Bottom: 4.38,18.25 9.39,18.25 9.39,20 6.73,20 6.73,21.45 4.38,21.45
VCC_0P9 on Bottom: 26.35,9.5 26.35,12.78 23.75,12.78 23.75,9.5
VCC_0P9 on Bottom: 26.35,9.5 26.35,12.9 23.89,15.2 23.89,16.34 22.03,16.34 22.03,14.06 23.75,12.4 23.75,9.5
VCC_0P9 on In2.Cu: 31.41,9.09 31.41,12.9 34.2,15.71 35.2,16.73 35.2,20.17 21.83,20.17 21.83,9.09
Net-(C10-Pad2) on Top: 73.49,1.13 73.49,3.46 77.14,3.46 77.14,5.06 78.94,6.86 78.94,7.86 80.44,7.86 80.44,7.06 81.24,6.06 81.24,1.13
Net-(C13-Pad2) on Top: 45.82,8.01 49.87,8.01 49.87,7.71 53.38,7.71 53.38,4.81 54.72,4.81 54.72,4.06 45.82,4.06
Net-(C26-Pad2) on Top: 76.45,8.4 77.39,9.01 77.64,9.01 77.64,8.26 76.6,6.35 69.89,6.37 69.89,8.34
Net-(C27-Pad2) on Top: 57.98,2.42 56.06,4.01 54.95,4.01 54.94,4.36 57.19,4.36 59.83,3.6 62.68,3.6 62.68,2.42
Net-(C28-Pad2) on Top: 76.6,13.12 77.95,10.97 77.95,10.25 77.15,10.25 76.55,11.15 70.1,11.15 70.1,13.12
Net-(C32-Pad2) on Top: 80.35,16.94 85.7,16.66 85.69,13.91 80.52,13.91 80.32,13.71 80.32,11.41 79.04,11.41 79.04,16.71
Net-(C33-Pad2) on Top: 57.51,7.06 57,7.2 57.01,7.56 57.01,9.11 63.33,9.11 63.33,7.66 62.94,7.66 62.94,5.45 57.51,5.45
Net-(C53-Pad2) on In3.Cu: 34.45,19.65 34.45,23.36 33.35,23.36 33.35,21.37 32.07,21.37 30.69,20.18 30.69,19.65
Net-(C54-Pad2) on In3.Cu: 33.15,21.61 33.15,24 32.06,24 32.06,21.61
Net-(C75-Pad2) on In3.Cu: 35.26,14.36 35.28,16.09 36.37,16.97 37.07,16.97 37.07,19.18 33.16,19.18 33.16,14.36
Net-(C128-Pad2) on Top, Bottom: 151,12 140,12 140,19 137,19 137,27 151,27
Net-(L3-Pad1) on Bottom: 25.82,14.06 27.67,14.06 28.57,16.01 28.57,16.59 27.67,16.34 25.82,16.34
Net-(Q3-Pad4) on Top, Bottom: 91.06,12.05 91.06,10.69 89.28,10.69 89.28,12.05
Net-(Q4-Pad4) on Top, Bottom: 90.4,13.8 90.4,12.44 88.62,12.44 88.62,13.8

## Text on the board
B.Silkscreen: TACHSET | +12V0 | FULLSPD | SET TEMP / LOW | SET TEMP / HIGH | SET / OVER TEMP
Top: Thunderbolt - GPU Adapter / Rev. 1.1.0 10/2023
F.Mask: Thunderbolt - GPU Adapter / Rev. 1.1.0 10/2023
F.Silkscreen: TEMP / SENSE | FAN / CONN | +12V0 | GND
